# Altium PCB XTRXr5.PcbDoc (part 1 of 5) (continued)
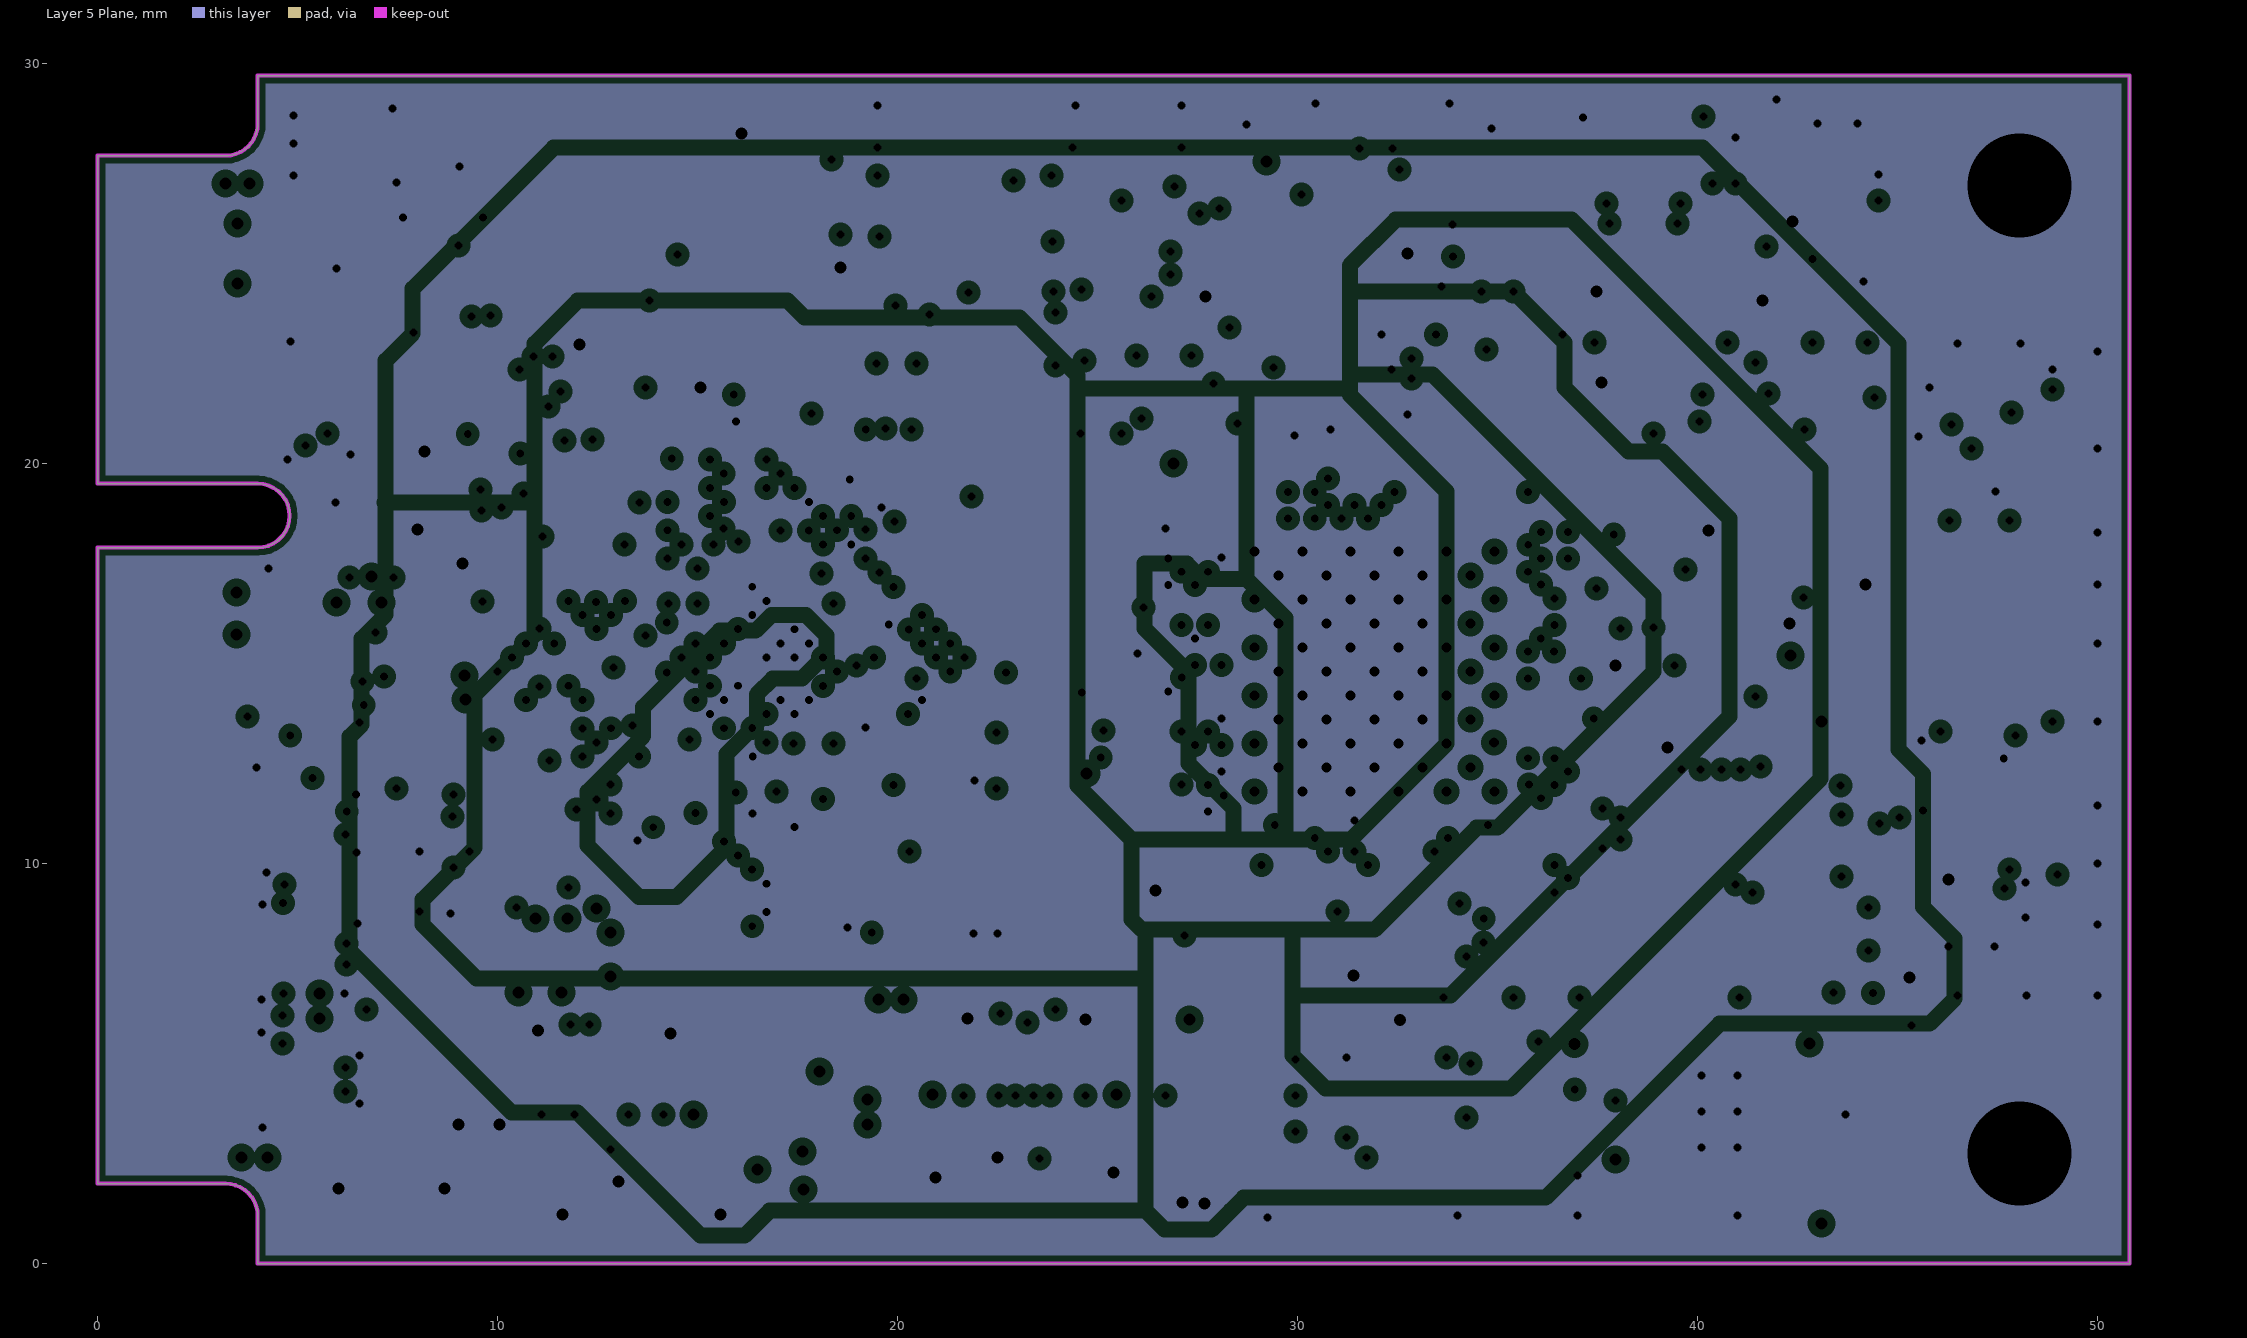
[diagram p5: Layer 5 Plane, clearances drawn from the general rule]
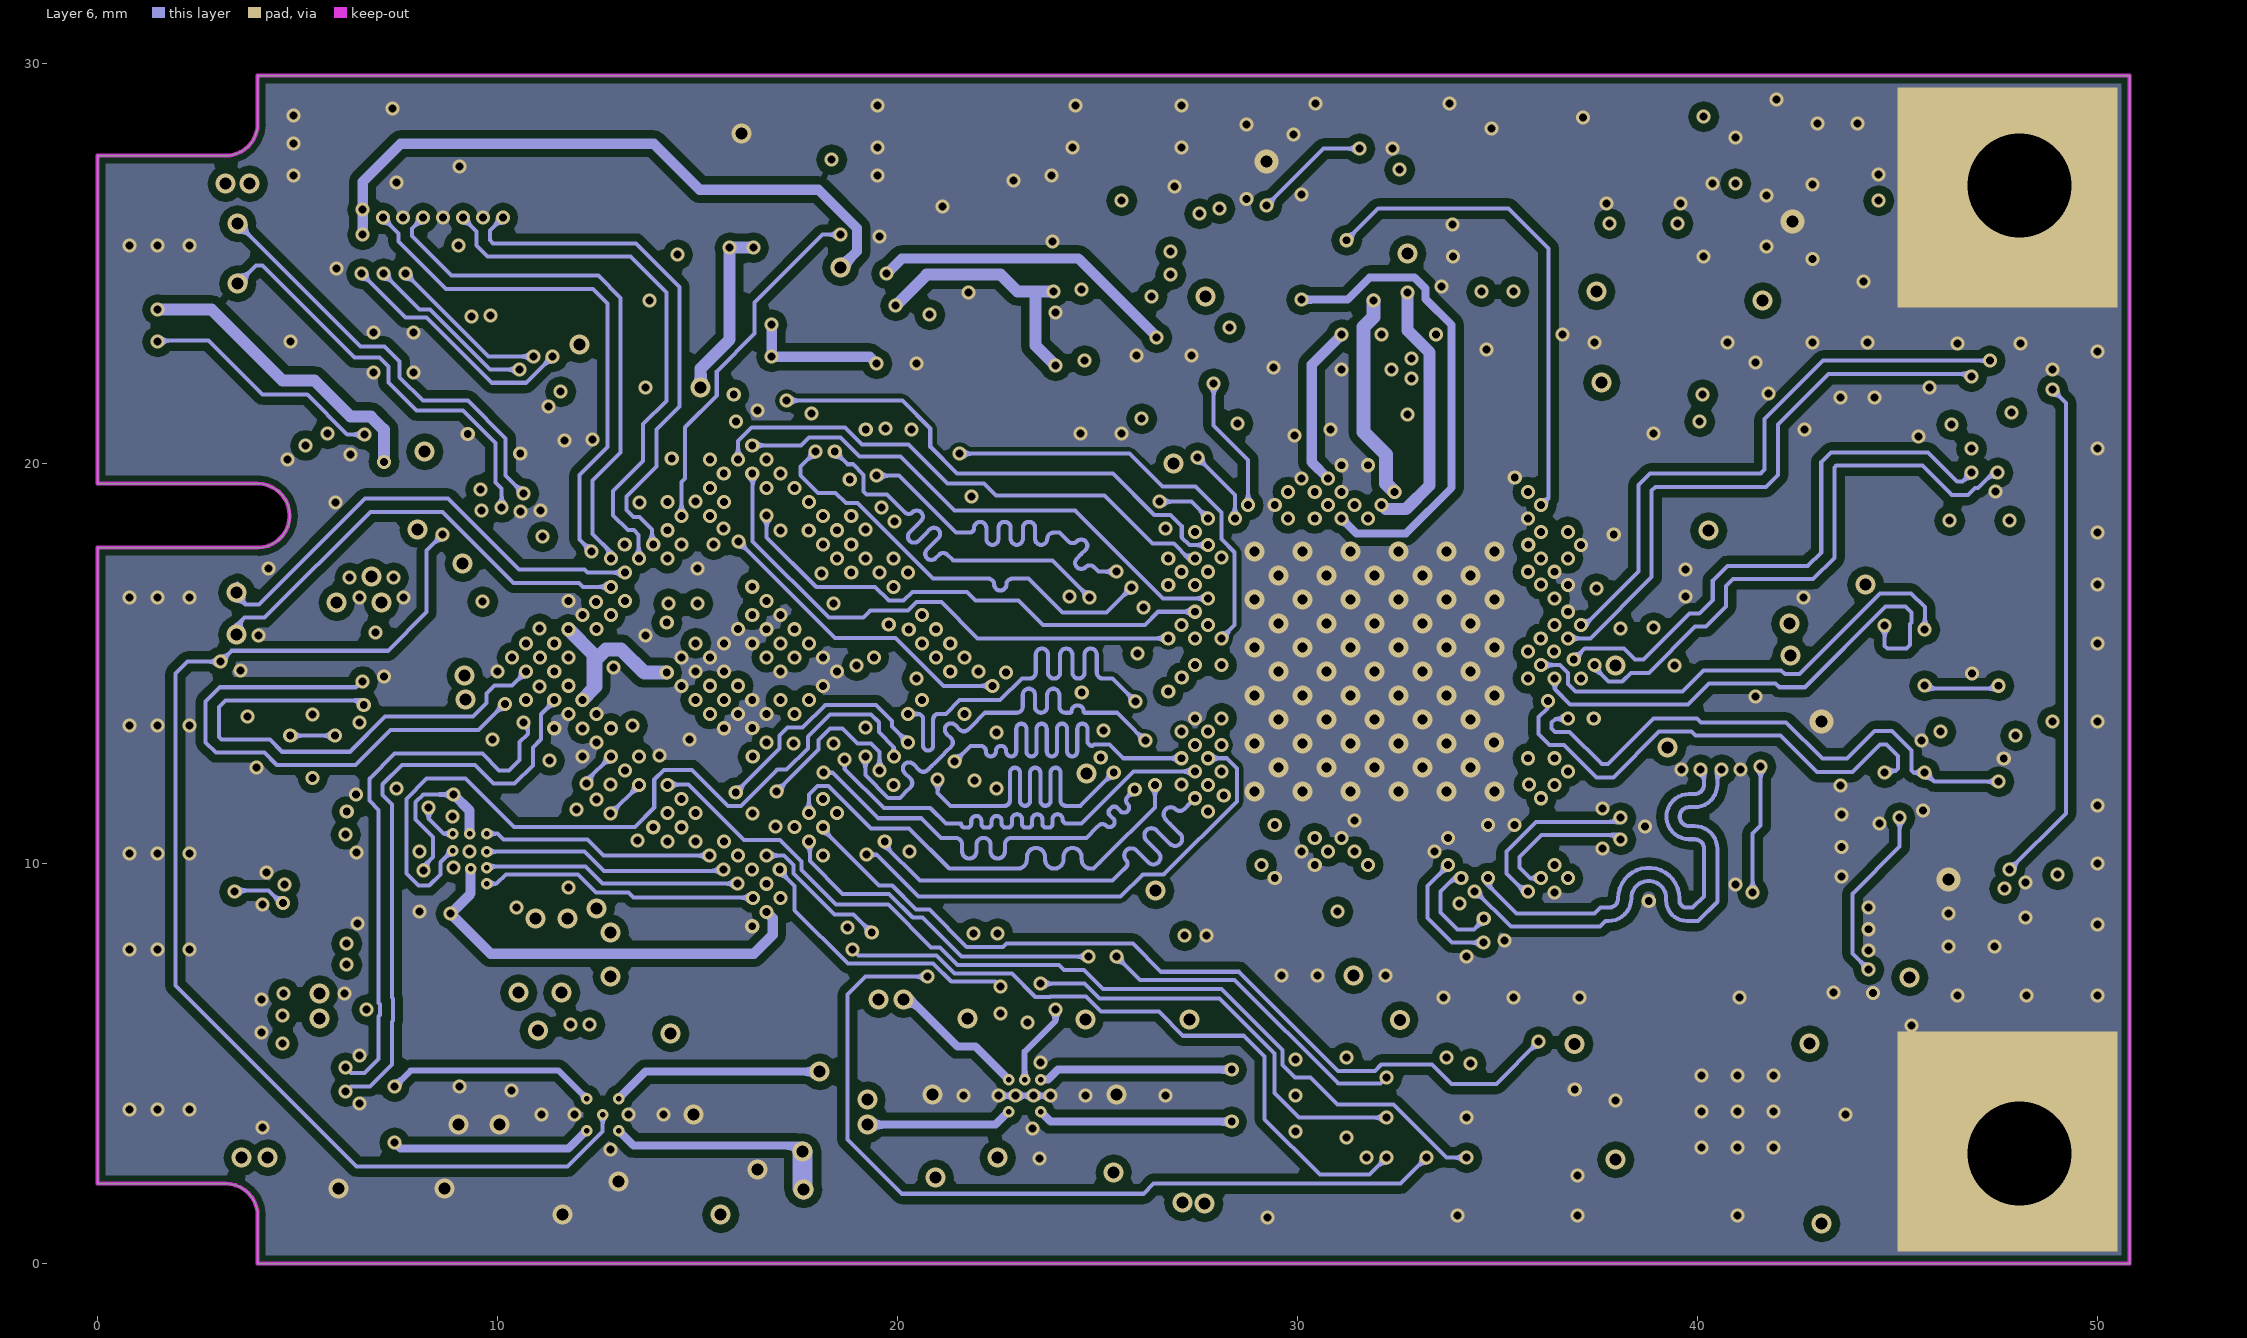
[diagram p6: Layer 6]
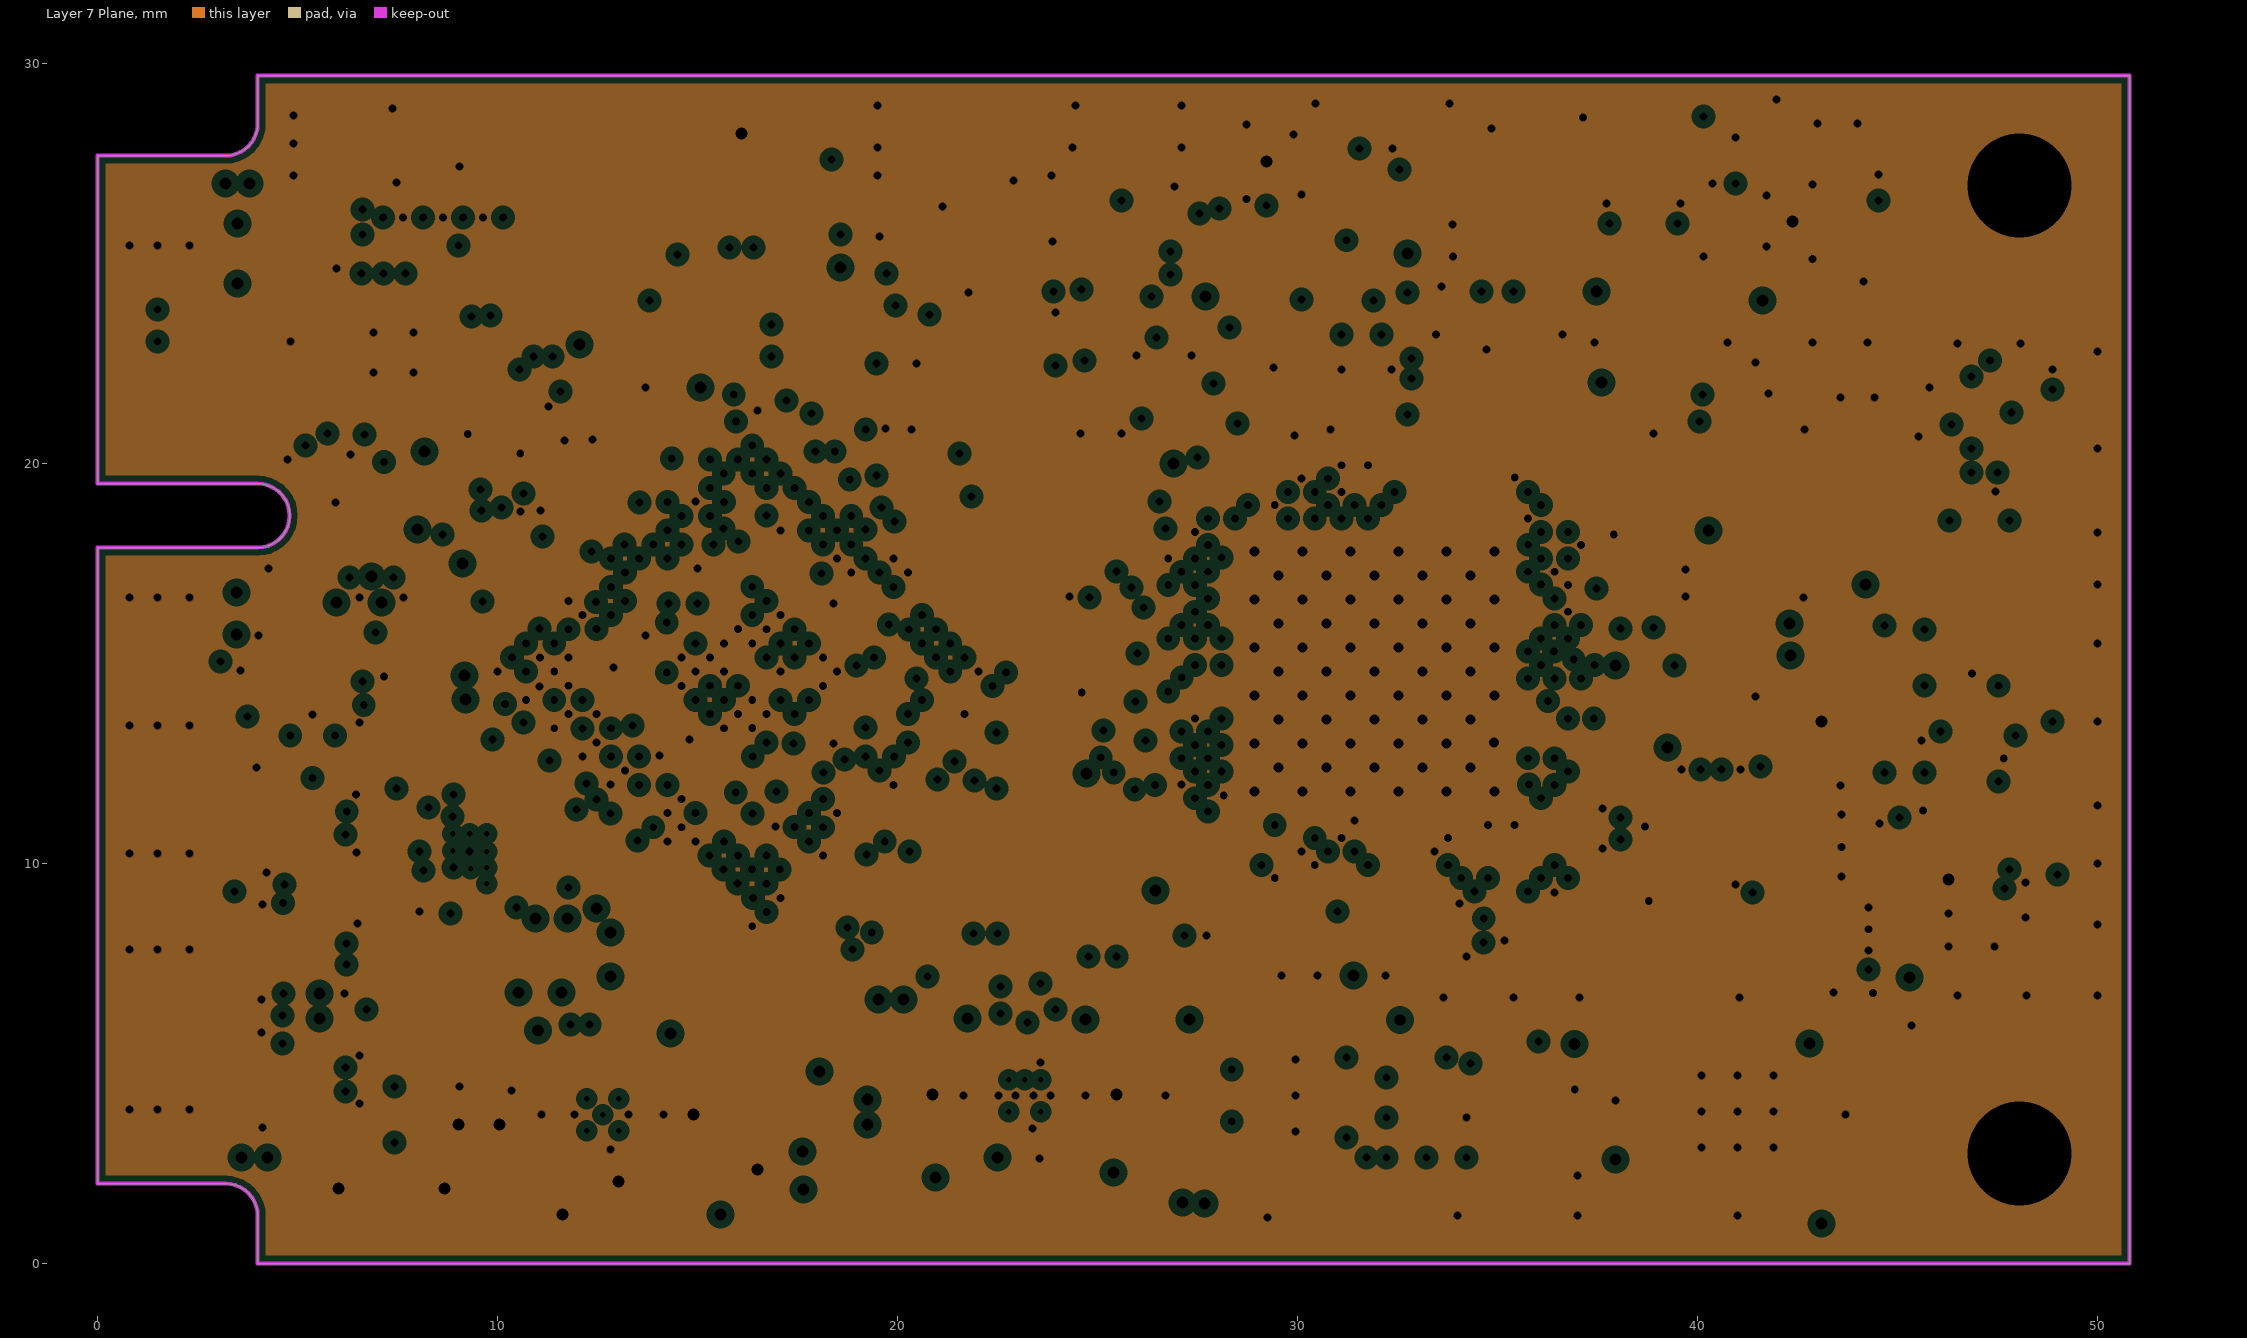
[diagram p7: Layer 7 Plane, clearances drawn from the general rule]
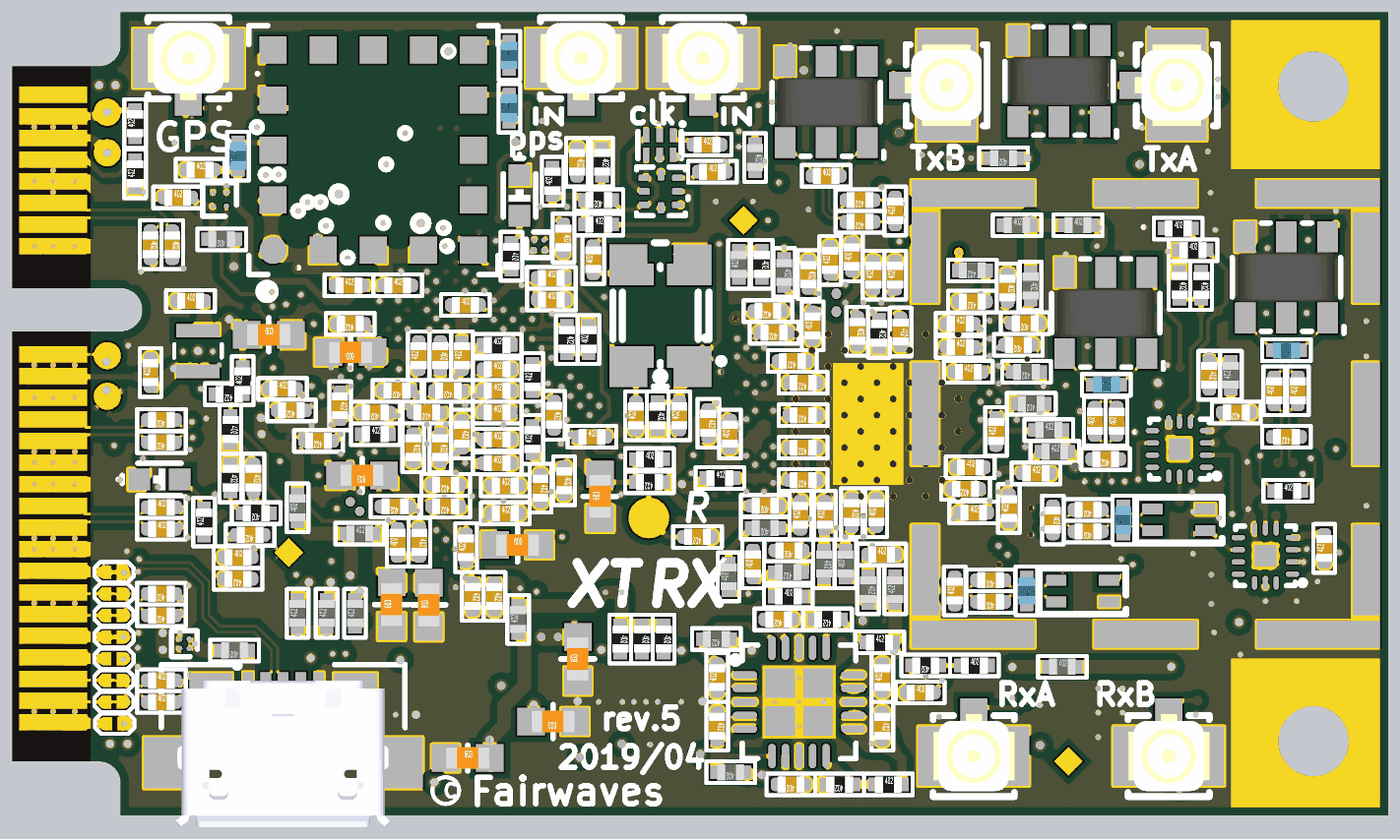
[diagram p12: 3D render of the assembled board from above, using the file's embedded part models]
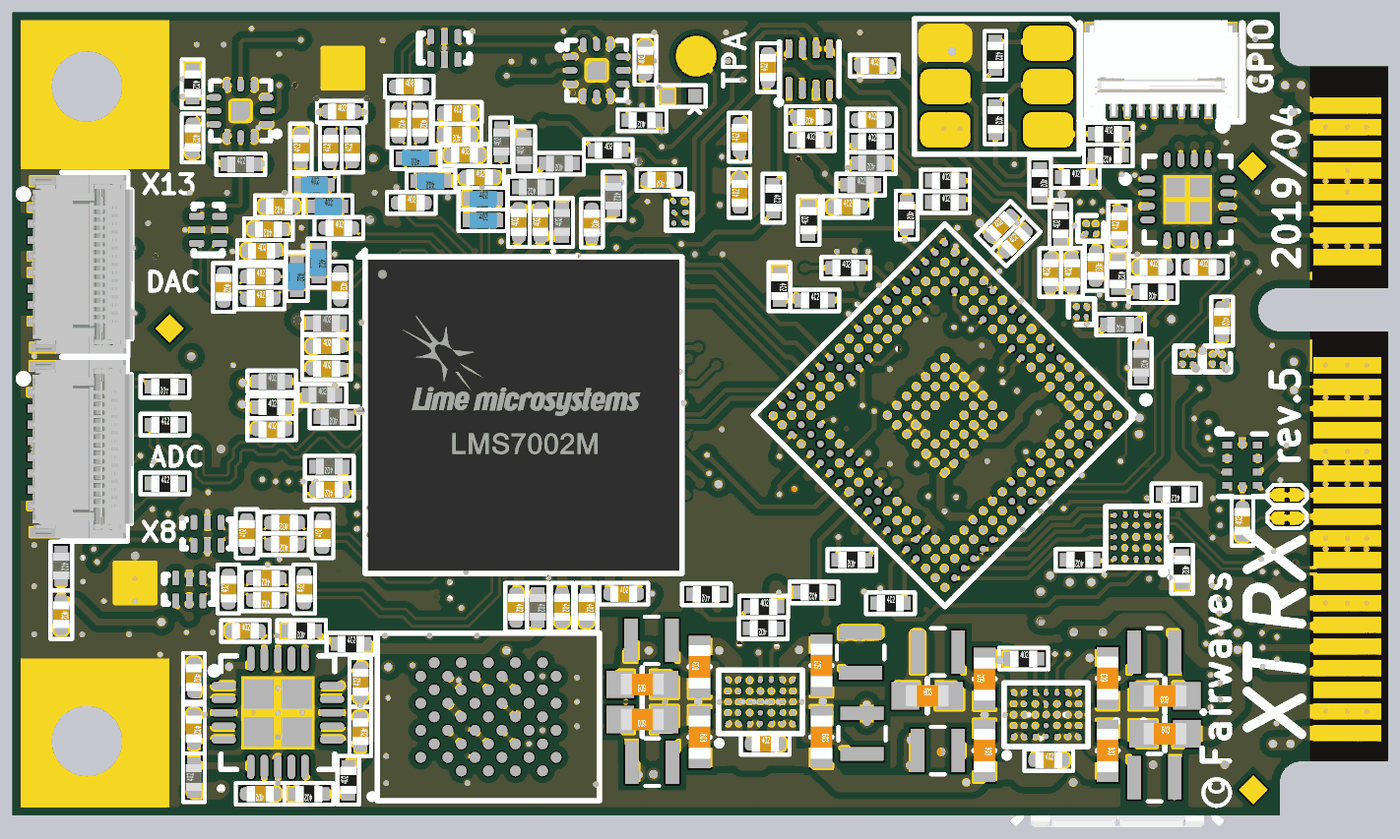
[diagram p13: 3D render of the assembled board from below, using the file's embedded part models]

## Layer stack, top to bottom
Top Solder: solder mask 0.0102, Solder Resist, Dk 3.5
Top Layer: signal copper 0.018
Dielectric1: core 0.1016, FR-4, Dk 4.6
Layer 2 Plain: plane copper 0.018, net GND
Dielectric8: prepreg 0.1016, FR-4, Dk 4.6
Layer 3: signal copper 0.018
Dielectric2: core 0.1524, FR-4, Dk 4.6
Layer 4: signal copper 0.018
Dielectric3: prepreg 0.1524, FR-4, Dk 4.6
Layer 5 Plane: plane copper 0.018, net (Multiple Nets)
Dielectric10: core 0.1524, FR-4, Dk 4.6
Layer 6: signal copper 0.018
Dielectric4: prepreg 0.1016, FR-4, Dk 4.6
Layer 7 Plane: plane copper 0.018, net GND
Dielectric9: core 0.1016, FR-4, Dk 4.6
Bottom Layer: signal copper 0.018
Bottom Solder: solder mask 0.0102, Solder Resist, Dk 3.5

## Board outline
0,2 0,17.9 4,17.9 ccw(c4,18.7) 4,19.5 0,19.5 0,27.7 3.2,27.7 ccw(c3.2,28.5) 4,28.5 4,29.7 50.8,29.7 50.8,0 4,0 4,1.2 ccw(c3.2,1.2) 3.2,2

## Design rules (kind name [scope] priority, off if disabled: settings)
Clearance "Schematic Clearance Constraint_1" [InNetClass('LML1')] p1: gap=0.102 ignorepadtopadclearanceinfootprint=TRUE except(0.152: Arc-Arc Arc-Track Track-Track)
Clearance "Schematic Clearance Constraint" [InNetClass('LML2')] p2: gap=0.102 ignorepadtopadclearanceinfootprint=TRUE except(0.152: Arc-Arc Arc-Track Track-Track)
Clearance Clearance_2 [OnLayer('Top Layer','Bottom Layer') and InPoly] p3: gap=0.25 ignorepadtopadclearanceinfootprint=FALSE except(0: Arc-Hole Track-Hole SMDPad-Hole THPad-Hole Via-Hole Fill-Hole Poly-Hole Region-Hole Text-Hole)
Clearance Clearance_5 [All vs OnLayer('Keep-Out Layer')] p4: gap=0.15 ignorepadtopadclearanceinfootprint=FALSE except(0: Arc-Hole Track-Hole SMDPad-Hole THPad-Hole Via-Hole Fill-Hole Poly-Hole Region-Hole Text-Hole)
Clearance Clearance_4 [HasFootprint('aQFN260(11.5x11.5mm)','CPG236','BGA WLCSP25')] p5: gap=0.08 ignorepadtopadclearanceinfootprint=FALSE except(0: Arc-Hole Track-Hole SMDPad-Hole THPad-Hole Via-Hole Fill-Hole Poly-Hole Region-Hole Text-Hole)
Clearance Clearance_1 [OnLayer('Layer 3','Layer 4','Layer 6') and InPoly] p6: gap=0.2 ignorepadtopadclearanceinfootprint=FALSE except(0: Arc-Hole Track-Hole SMDPad-Hole THPad-Hole Via-Hole Fill-Hole Poly-Hole Region-Hole Text-Hole)
Clearance [All] p7: gap=0.102 ignorepadtopadclearanceinfootprint=FALSE except(0: Arc-Hole Track-Hole SMDPad-Hole THPad-Hole Via-Hole Fill-Hole Poly-Hole Region-Hole Text-Hole)
ComponentClearance [All] p1 off: gap=0.254 collisioncheckmode=3 verticalgap=0.254 showdistances=FALSE
DiffPairsRouting DiffPairsRouting_90 [InDifferentialPair('USB_D')] p1: maxlimit=0.127 minlimit=0.127 mostfreqgap=0.127 toplayer_minwidth=0.102 toplayer_maxwidth=0.102 toplayer_prefwidth=0.102 midlayer1_minwidth=0.102 midlayer1_maxwidth=0.102 midlayer1_prefwidth=0.102 midlayer3_minwidth=0.102 midlayer3_maxwidth=0.102 midlayer3_prefwidth=0.102 midlayer4_minwidth=0.102 midlayer4_maxwidth=0.102 midlayer4_prefwidth=0.102 bottomlayer_minwidth=0.102 bottomlayer_maxwidth=0.102 bottomlayer_prefwidth=0.102 maxuncoupledlength=10
DiffPairsRouting DiffPairsRouting_100 [InDifferentialPairClass('All Differential Pairs')] p2: maxlimit=0.229 minlimit=0.178 mostfreqgap=0.229 toplayer_maxgap=0.178 toplayer_prefgap=0.178 toplayer_minwidth=0.102 toplayer_maxwidth=0.102 toplayer_prefwidth=0.102 midlayer1_mingap=0.229 midlayer1_minwidth=0.102 midlayer1_maxwidth=0.102 midlayer1_prefwidth=0.102 midlayer3_mingap=0.229 midlayer3_minwidth=0.102 midlayer3_maxwidth=0.102 midlayer3_prefwidth=0.102 midlayer4_mingap=0.229 midlayer4_minwidth=0.102 midlayer4_maxwidth=0.102 midlayer4_prefwidth=0.102 bottomlayer_maxgap=0.178 bottomlayer_prefgap=0.178 bottomlayer_minwidth=0.102 bottomlayer_maxwidth=0.102 bottomlayer_prefwidth=0.102 maxuncoupledlength=10
FabricationTestPointUsage TestPointUsage [All] p1 off: valid=0 allowmultiple=FALSE
FabricationTestpoint Testpoint [All] p1 off: side=3 testpointundercomponent=TRUE minsize=1.016 maxsize=2.54 preferedsize=1.524 minholesize=0 maxholesize=1.016 preferedholesize=0.813 testpointgrid=0.025 allowsidetop=TRUE allowsidebottom=TRUE usegrid=TRUE gridtolerance=0
FanoutControl "Schematic Fanout Control_1" [InNetClass('LML1')] p1: bgadir=Out bgaviamode=Centered fanoutstyle=BGA fanoutdirection=Alternating viagrid=0.025
FanoutControl "Schematic Fanout Control" [InNetClass('LML2')] p2: bgadir=Out bgaviamode=Centered fanoutstyle=BGA fanoutdirection=Alternating viagrid=0.025
FanoutControl Fanout_BGA [IsBGA] p3: bgadir=Out bgaviamode=Centered fanoutstyle=Auto fanoutdirection=Alternating viagrid=0.025 // Fanout_BGA (Default Rule)
FanoutControl Fanout_LCC [IsLCC] p4: bgadir=Out bgaviamode=Centered fanoutstyle=Auto fanoutdirection=Alternating viagrid=0.025 // Fanout_LCC (Default Rule)
FanoutControl Fanout_SOIC [IsSOIC] p5: bgadir=Out bgaviamode=Centered fanoutstyle=Auto fanoutdirection=Alternating viagrid=0.025 // Fanout_SOIC (Default Rule)
FanoutControl Fanout_Small [(CompPinCount < 5)] p6: bgadir=Out bgaviamode=Centered fanoutstyle=Auto fanoutdirection=OutThenIn viagrid=0.025 // Fanout_Small (Default Rule)
FanoutControl Fanout_Default [All] p7: bgadir=Out bgaviamode=Centered fanoutstyle=Auto fanoutdirection=Alternating viagrid=0.025 // Fanout_Default (Default Rule)
Height [All] p1 off: minheight=0 maxheight=25.4 prefheight=12.7
HoleSize [All] p1: absolutevalues=TRUE maxlimit=4 minlimit=0.13 maxpercent=80.000 minpercent=20.000
HoleToHoleClearance [All] p1: gap=0.203 allowstackedmicrovias=FALSE
MatchedLengths MatchLengths_xSignals_PCIe [InxSignalClass('xSignals_PCIe_MatchLengthsClass')] p1: tolerance=2 checknetsindiffpair=FALSE checkdiffpairvsdiffpair=TRUE checkxsignals=TRUE checkothers=TRUE
MatchedLengths MatchLengths_xSignals_LML2 [InxSignalClass('xSignals_LML2_MatchLengthsClass')] p2: tolerance=1 checknetsindiffpair=FALSE checkdiffpairvsdiffpair=TRUE checkxsignals=TRUE checkothers=TRUE
MatchedLengths MatchLengths_xSignals_LML1 [InxSignalClass('xSignals_LML1_MatchLengthsClass')] p3: tolerance=1 checknetsindiffpair=FALSE checkdiffpairvsdiffpair=TRUE checkxsignals=TRUE checkothers=TRUE
MaximumViaCount "Schematic Maximum Via Count Constraint_1" [InNetClass('LML1')] p1: limit=2
MaximumViaCount "Schematic Maximum Via Count Constraint" [InNetClass('LML2')] p2: limit=2
MinimumAnnularRing [All] p1: minimumring=0.076
MinimumSolderMaskSliver [All] p1: minsoldermaskwidth=0.04
ParallelSegment "Schematic Parallel Segment Constraint_1" [InNetClass('LML1')] p1: limit=5.08 gap=0.203
ParallelSegment "Schematic Parallel Segment Constraint" [InNetClass('LML2')] p2: limit=5.08 gap=0.203
PlaneClearance [All] p1: clearance=0.2
PlaneConnect PlaneConnect_1 [IsVia] p1: planeconnectstyle=Direct reliefexpansion=0.508 reliefentries=4 reliefconductorwidth=0.254 reliefairgap=0.254
PlaneConnect PlaneConnect_3 [(HasFootprint('PCIe MiniCard'))] p2: planeconnectstyle=Direct reliefexpansion=0.508 reliefentries=4 reliefconductorwidth=0.254 reliefairgap=0.254
PlaneConnect [InNet('GND')] p3: planeconnectstyle=Relief reliefexpansion=0.5 reliefentries=4 reliefconductorwidth=0.5 reliefairgap=0.25
PlaneConnect PlaneConnect_2 [All] p4: planeconnectstyle=Relief reliefexpansion=0.508 reliefentries=4 reliefconductorwidth=0.254 reliefairgap=0.254
PolygonConnect PolygonConnect_1 [IsVia] p1: connectstyle=Direct reliefconductorwidth=0.254 reliefentries=4 polygonreliefangle="90 Angle" airgapwidth=0.254
PolygonConnect PolygonConnect_4 [InComponent('Z*')] p2 off: connectstyle=Relief reliefconductorwidth=0.5 reliefentries=4 polygonreliefangle="90 Angle" airgapwidth=0.254
PolygonConnect PolygonConnect_3 [HasFootprint('aQFN260(11.5x11.5mm)','CPG236')] p3: connectstyle=Relief reliefconductorwidth=0.254 reliefentries=4 polygonreliefangle="90 Angle" airgapwidth=0.254
PolygonConnect PolygonConnect_5 [HasPad('Free-0')] p4: connectstyle=Direct reliefconductorwidth=0.254 reliefentries=4 polygonreliefangle="90 Angle" airgapwidth=0.254
PolygonConnect [All] p5: connectstyle=Direct reliefconductorwidth=0.5 reliefentries=4 polygonreliefangle="90 Angle" airgapwidth=0.254
RoutingVias [All] p1: holewidth=0.198 width=0.352 viastyle="Through Hole" minholewidth=0.13 minwidth=0.29 maxholewidth=0.3 maxwidth=0.6
SilkToSilkClearance [All] p1: silktosilkclearance=0
SilkToSolderMaskClearance SilkscreenOverComponentPads [IsPad] p1: minsilkscreentomaskgap=0.001 clearancetoexposedcopper=TRUE
SolderMaskExpansion SolderMaskExpansion_1 [HasFootprint('CPG236')] p1: expansion=0.025
SolderMaskExpansion [All] p2: expansion=0.075
ViasUnderSMD [All] p1: allowed=TRUE
Width "Schematic Width Constraint_2" [InNetClass('LML2')] p1: maxlimit=0.17 minlimit=0.102 preferedwidth=0.102 toplayer_minwidth=0.17 toplayer_prefwidth=0.17 midlayer1_maxwidth=0.102 midlayer3_maxwidth=0.102 midlayer4_maxwidth=0.102 bottomlayer_prefwidth=0.17 minimp=50.000000 maximp=50.000000 favimp=50.000000
Width "Schematic Width Constraint_1" [InNetClass('LML1')] p2: maxlimit=0.17 minlimit=0.102 preferedwidth=0.102 toplayer_minwidth=0.17 toplayer_prefwidth=0.17 midlayer1_maxwidth=0.102 midlayer3_maxwidth=0.102 midlayer4_maxwidth=0.102 bottomlayer_prefwidth=0.17 minimp=50.000000 maximp=50.000000 favimp=50.000000
Width Width_1 [IsDifferentialPair] p3: maxlimit=0.17 minlimit=0.102 preferedwidth=0.15 midlayer1_prefwidth=0.102 midlayer4_prefwidth=0.102 minimp=50.000000 maximp=50.000000 favimp=50.000000
Width [All] p4: maxlimit=2 minlimit=0.102 preferedwidth=0.102 toplayer_prefwidth=0.15 bottomlayer_prefwidth=0.15 minimp=50.000000 maximp=50.000000 favimp=50.000000
13 further rules are at their usual default settings.
